# KiCad board RadCheck-SDRAM.kicad_pcb (continued)
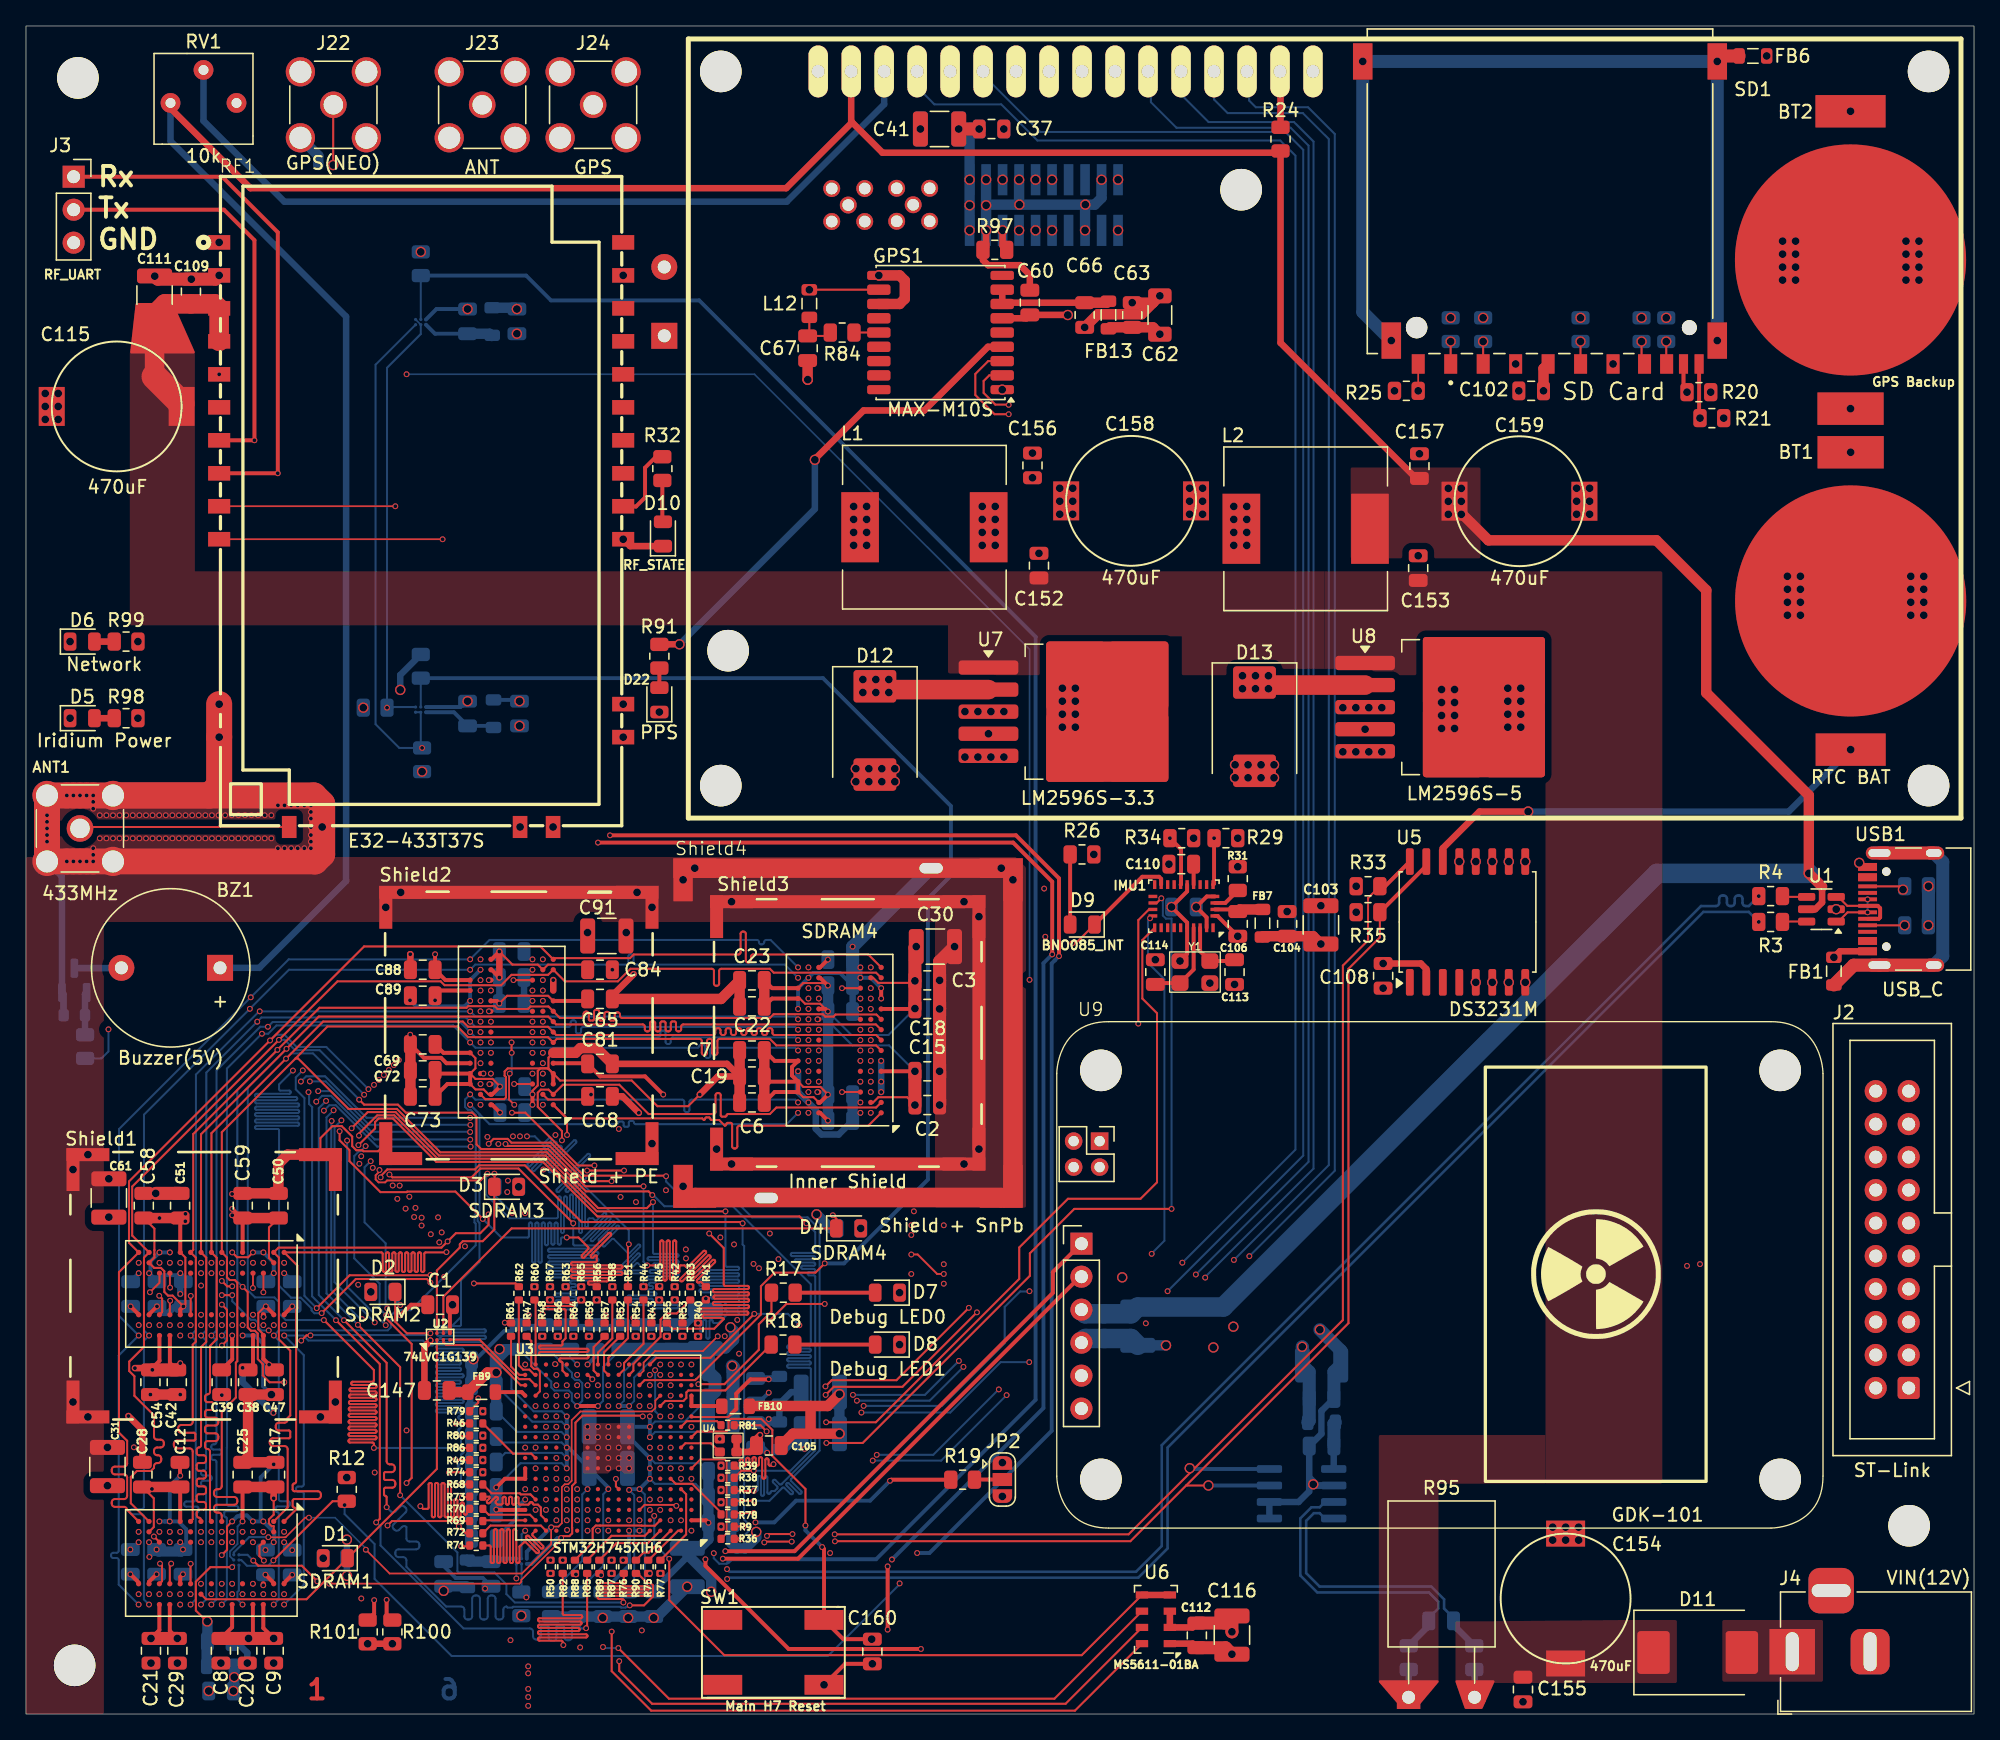
[diagram p0: board, top side]
## Routing (per net, layer and track width the routed paths; a pad name or vN(x,y) marks a point on that pad's centre or on a via; arc(x,y) is an arc through that point) (continued)
SDRAM_A1: length 170.8
  Top w0.157: v1(56.04,16.42) 54.65,16.42 ; v1(49.29,41.42) 49.25,41.46 42.95,41.46 40.41,44 37.38,44 37.09,44.29 36.01,44.29 v1(35.63,43.91)
  In1.Cu w0.127: v1(26.8,48.45) 31.94,43.31 34.51,43.31 35.12,43.91 v1(35.63,43.91)
  In3.Cu w0.142: v1(26.8,48.45) 22.86,52.39 v1(18.17,52.39)
  Bottom w0.157: v1(49.29,41.42) 49.29,41.01 50.8,39.5 54.66,39.5 55.91,38.25 60.19,38.25 61.11,37.33 61.11,20.29 58.91,18.09 arc(58.88,18.02) 58.91,17.95 59.71,17.15 arc(59.73,17.08) 59.71,17.01 59.67,16.98 arc(59.6,16.95) 59.53,16.98 58.73,17.77 arc(58.66,17.8) 58.59,17.77 58.56,17.74 arc(58.53,17.67) 58.56,17.6 59.04,17.12 arc(59.07,17.05) 59.04,16.98 59,16.95 arc(58.93,16.92) 58.86,16.95 58.39,17.43 arc(58.32,17.45) 58.25,17.43 57.24,16.42 v1(56.04,16.42) ; v1(15.07,8.43) 15.47,8.83 15.47,15.06 arc(15.44,15.13) 15.37,15.16 arc(15.3,15.19) 15.27,15.26 15.27,15.52 arc(15.3,15.59) 15.37,15.62 16.19,15.62 arc(16.31,15.67) 16.35,15.78 16.35,15.86 arc(16.31,15.97) 16.19,16.02 15.63,16.02 arc(15.51,16.07) 15.47,16.18 15.47,20.51 15.48,20.53 15.48,28.75 v1(15.08,29.15) 15.47,29.54 15.47,49.71 18.15,52.39 v1(18.17,52.39) 18.65,52.39 19.29,53.03 32.89,53.03 v1(34.2,51.72) 34.61,51.31 51.73,51.31 arc(51.8,51.34) 51.83,51.41 arc(51.86,51.48) 51.93,51.51 52.19,51.51 arc(52.26,51.48) 52.29,51.41 52.29,50.69 arc(52.34,50.57) 52.45,50.53 52.53,50.53 arc(52.65,50.57) 52.69,50.69 52.69,51.15 arc(52.74,51.27) 52.85,51.31 59.24,51.31 v1(59.45,51.1)
SDRAM_A2: length 137.7
  Top w0.157: v1(27.31,41.33) 27.31,41.43 27.83,41.94 34.58,41.94 34.89,42.25 38.42,42.25 42.78,37.89 55.08,37.89 v1(55.18,37.79) ; v1(55.02,13.47) 54.56,13.47
  In3.Cu w0.142: v1(15.87,10.03) 16.26,10.42 16.26,18.61 arc(16.21,18.73) 16.1,18.77 15.93,18.77 arc(15.82,18.82) 15.77,18.93 15.77,19.01 arc(15.82,19.13) 15.93,19.17 16.59,19.17 arc(16.7,19.22) 16.75,19.33 16.75,19.41 arc(16.7,19.53) 16.59,19.57 15.93,19.57 arc(15.82,19.62) 15.77,19.73 15.77,19.81 arc(15.82,19.93) 15.93,19.97 16.59,19.97 arc(16.7,20.02) 16.75,20.13 16.75,20.21 arc(16.7,20.33) 16.59,20.37 16.42,20.37 arc(16.31,20.42) 16.26,20.53 16.26,24.46 16.27,24.46 16.27,30.36 v1(15.88,30.75) 16.28,31.15 16.4,31.15 18.53,33.28 19.76,33.28 20.5,34.02 20.5,34.52 v1(27.31,41.33) 27.6,41.62 27.6,42.15 34.84,49.39 34.84,49.71 35.16,49.71 35.8,50.35 v1(35.8,50.92) 36.21,50.51 40.21,50.51 40.39,50.69 46.66,50.69 arc(46.77,50.73) 46.82,50.85 46.82,50.95 arc(46.87,51.06) 46.98,51.11 47.06,51.11 arc(47.17,51.06) 47.22,50.95 47.22,49.63 arc(47.27,49.51) 47.38,49.47 47.46,49.47 arc(47.57,49.51) 47.62,49.63 47.62,50.53 arc(47.67,50.64) 47.78,50.69 60.66,50.69 v1(61.05,50.3)
  Bottom w0.157: v1(55.18,37.79) 55.18,36.16 55.3,36.04 55.3,26.29 55.29,26.28 55.29,25.41 55.3,25.4 55.3,24.39 55.29,24.38 55.29,23.51 55.3,23.5 55.3,22.89 55.29,22.88 55.29,22.01 55.3,22 55.3,20.99 55.29,20.98 55.29,20.11 55.3,20.1 55.3,14.97 55.67,14.6 55.67,14.12 v1(55.02,13.47)
SDRAM_A3: length 165
  Top w0.157: v1(56.04,17.18) 54.61,17.18 ; v1(25.6,43.81) 26.88,45.1 26.88,45.59 27.15,45.86 28.26,45.86 31.6,42.52 39.8,42.52 44,38.32 59.56,38.32 v1(60.09,37.79)
  In2.Cu w0.127: v1(15.87,13.23) 15.49,13.61 15.49,16.88 ; 15.49,21.26 15.49,33.56 v1(15.88,33.95) 16.3,34.37 18.44,34.37 18.66,34.59 18.66,36.78 25.6,43.72 v1(25.6,43.81) 25.69,43.81 31.62,49.74 37.82,49.74 v1(39,50.92) 39.38,50.54 40.36,50.54 40.54,50.72 47.78,50.72 ; v1(64.25,50.3) 63.83,50.72 54.45,50.72
  In2.Cu w0.129: 15.49,21.26 15.49,18.4 arc(15.45,18.29) 15.33,18.24 15.25,18.24 arc(15.14,18.19) 15.09,18.08 15.09,18 arc(15.14,17.89) 15.25,17.84 16.54,17.84 arc(16.65,17.79) 16.7,17.68 16.7,17.6 arc(16.65,17.49) 16.54,17.44 15.25,17.44 arc(15.14,17.39) 15.09,17.28 15.09,17.2 arc(15.14,17.09) 15.25,17.04 15.33,17.04 arc(15.45,16.99) 15.49,16.88 ; 47.78,50.72 53.33,50.72 arc(53.44,50.77) 53.49,50.88 53.49,50.99 arc(53.54,51.11) 53.65,51.15 53.73,51.15 arc(53.84,51.11) 53.89,50.99 53.89,49.55 arc(53.94,49.44) 54.05,49.39 54.13,49.39 arc(54.24,49.44) 54.29,49.55 54.29,50.56 arc(54.34,50.67) 54.45,50.72
  Bottom w0.157: v1(56.04,17.18) 56.05,17.17 56.25,17.17 arc(56.32,17.2) 56.34,17.27 56.34,18.23 arc(56.37,18.3) 56.44,18.33 56.49,18.33 arc(56.56,18.3) 56.59,18.23 56.59,16.91 arc(56.62,16.84) 56.69,16.81 56.74,16.81 arc(56.81,16.84) 56.84,16.91 56.84,18.23 arc(56.87,18.3) 56.94,18.33 56.99,18.33 arc(57.06,18.3) 57.08,18.23 57.08,17.06 arc(57.11,16.99) 57.18,16.96 57.23,16.96 arc(57.3,16.99) 57.33,17.06 57.33,17.07 arc(57.36,17.14) 57.43,17.17 57.64,17.17 57.85,17.38 arc(57.88,17.45) 57.85,17.52 57.53,17.85 arc(57.5,17.91) 57.53,17.98 57.56,18.02 arc(57.63,18.05) 57.7,18.02 58.03,17.69 arc(58.1,17.66) 58.17,17.69 60.77,20.3 60.77,33.69 arc(60.74,33.76) 60.67,33.79 60.29,33.79 arc(60.22,33.81) 60.19,33.88 60.19,33.93 arc(60.22,34) 60.29,34.03 60.67,34.03 arc(60.74,34.06) 60.77,34.13 60.77,34.18 arc(60.74,34.25) 60.67,34.28 59.79,34.28 arc(59.72,34.31) 59.69,34.38 59.69,34.43 arc(59.72,34.5) 59.79,34.53 60.67,34.53 arc(60.74,34.55) 60.77,34.62 60.77,34.67 arc(60.74,34.74) 60.67,34.77 59.29,34.77 arc(59.22,34.8) 59.19,34.87 59.19,34.92 arc(59.22,34.99) 59.29,35.02 60.67,35.02 arc(60.74,35.05) 60.77,35.12 60.77,35.17 arc(60.74,35.24) 60.67,35.26 58.99,35.26 arc(58.92,35.29) 58.89,35.36 58.89,35.41 arc(58.92,35.48) 58.99,35.51 60.67,35.51 arc(60.74,35.54) 60.77,35.61 60.77,37.11 v1(60.09,37.79)
SDRAM_A4: length 175
  Top w0.157: v1(48.23,39.97) 47.94,40.25 43.12,40.25 40.11,43.26 31.9,43.26 28.56,46.6 24.84,46.6 20.95,50.48 20.75,50.48 ; R38.2 55.09,18.74 56.04,18.74 v1(56.04,18.74) ; SDRAM1.G1 15.07,15.27 arc(15,15.44) 14.83,15.51 14.72,15.51 arc(14.55,15.58) 14.48,15.75 14.48,15.87 arc(14.55,16.04) 14.72,16.11 16.03,16.11 arc(16.2,16.18) 16.27,16.35 16.27,16.47 arc(16.2,16.64) 16.03,16.71 14.72,16.71 arc(14.55,16.78) 14.48,16.95 14.48,17.07 arc(14.55,17.24) 14.72,17.31 14.83,17.31 arc(15,17.38) 15.07,17.55 15.07,23.29 16.16,24.37 16.16,27.06 16.27,27.17 16.27,33.23 16.08,33.42 15.69,33.42 15.47,33.64 15.47,35.16 SDRAM2.G1 15.08,44.81 20.75,50.48 ; 20.75,50.48 23.22,52.95 33.21,52.95 34.04,52.13 40.19,52.13 SDRAM3.G1 40.87,51.99 51.88,51.99 arc(51.99,51.95) 52.04,51.83 52.04,50.91 arc(52.09,50.8) 52.2,50.75 52.28,50.75 arc(52.39,50.8) 52.44,50.91 52.44,51.83 arc(52.49,51.95) 52.6,51.99 52.68,51.99 arc(52.79,51.95) 52.84,51.83 52.84,50.91 arc(52.89,50.8) 53,50.75 53.08,50.75 arc(53.19,50.8) 53.24,50.91 53.24,51.83 arc(53.29,51.95) 53.4,51.99 57.28,51.99 57.78,51.49 65.46,51.49 SDRAM4.G1
  Bottom w0.157: v1(48.23,39.97) 48.3,39.97 49.16,39.11 54.42,39.11 60.43,33.1 60.43,28.49 arc(60.4,28.42) 60.33,28.39 58.71,28.39 arc(58.64,28.36) 58.62,28.29 58.62,28.24 arc(58.64,28.17) 58.71,28.14 60.33,28.14 arc(60.4,28.12) 60.43,28.05 60.43,28 arc(60.4,27.93) 60.33,27.9 58.71,27.9 arc(58.64,27.87) 58.62,27.8 58.62,27.75 arc(58.64,27.68) 58.71,27.65 60.33,27.65 arc(60.4,27.62) 60.43,27.55 60.43,27.5 arc(60.4,27.43) 60.33,27.41 58.71,27.41 arc(58.64,27.38) 58.62,27.31 58.62,27.26 arc(58.64,27.19) 58.71,27.16 60.33,27.16 arc(60.4,27.13) 60.43,27.06 60.43,27.01 arc(60.4,26.94) 60.33,26.91 58.71,26.91 arc(58.64,26.88) 58.62,26.81 58.62,26.76 arc(58.64,26.69) 58.71,26.67 60.33,26.67 arc(60.4,26.64) 60.43,26.57 60.43,20.31 58.86,18.74 v1(56.04,18.74)
SDRAM_A5: length 169.6
  Top w0.157: v1(57.56,19.24) 57.45,19.13 57.28,19.13 arc(57.21,19.16) 57.18,19.23 57.18,19.58 arc(57.15,19.65) 57.08,19.68 57.03,19.68 arc(56.96,19.65) 56.93,19.58 56.93,18.23 arc(56.9,18.16) 56.83,18.13 56.78,18.13 arc(56.71,18.16) 56.68,18.23 56.68,19.68 arc(56.66,19.75) 56.59,19.78 56.54,19.78 arc(56.47,19.75) 56.44,19.68 56.44,19.23 arc(56.41,19.16) 56.34,19.13 56.29,19.13 arc(56.22,19.16) 56.19,19.23 56.19,19.68 arc(56.16,19.75) 56.09,19.78 56.04,19.78 arc(55.97,19.75) 55.94,19.68 55.94,19.23 arc(55.92,19.16) 55.85,19.13 55.8,19.13 arc(55.73,19.16) 55.7,19.23 55.7,19.63 arc(55.67,19.7) 55.6,19.73 55.55,19.73 arc(55.48,19.7) 55.45,19.63 55.45,19.23 arc(55.42,19.16) 55.35,19.13 55.3,19.13 arc(55.23,19.16) 55.21,19.23 55.21,19.53 arc(55.18,19.6) 55.11,19.63 55.06,19.63 arc(54.99,19.6) 54.96,19.53 54.96,19.03 arc(54.93,18.96) 54.86,18.93 54.81,18.93 arc(54.74,18.96) 54.71,19.03
  In1.Cu w0.127: 14.7,26.46 14.67,26.49 14.67,34.34 v1(15.08,34.75) 15.08,39.89 v1(22.35,47.16) 28.22,53.03 33.16,53.03 34.04,52.14 39.38,52.14 v1(39.8,51.72) 40.04,51.48 46.11,51.48 ; v1(65.05,51.1) 64.67,51.48 52.32,51.48 ; v1(15.07,14.03) 14.7,14.41 14.7,19.48
  In1.Cu w0.129: 14.7,26.46 14.7,23.56 arc(14.77,23.39) 14.94,23.32 14.95,23.32 arc(15.12,23.25) 15.19,23.08 15.19,22.96 arc(15.12,22.79) 14.95,22.72 14.45,22.72 arc(14.28,22.65) 14.21,22.48 14.21,22.36 arc(14.28,22.19) 14.45,22.12 14.91,22.12 arc(15.06,22.06) 15.12,21.91 15.12,21.73 arc(15.06,21.58) 14.91,21.52 14.3,21.52 arc(14.13,21.45) 14.06,21.28 14.06,21.16 arc(14.13,20.99) 14.3,20.92 14.91,20.92 arc(15.06,20.86) 15.12,20.71 15.12,20.53 arc(15.06,20.38) 14.91,20.32 14.4,20.32 arc(14.23,20.25) 14.16,20.08 14.16,19.96 arc(14.23,19.79) 14.4,19.72 14.46,19.72 arc(14.63,19.65) 14.7,19.48 ; 52.32,51.48 48.43,51.48 arc(48.32,51.53) 48.27,51.64 48.27,51.84 arc(48.22,51.95) 48.11,52 48.03,52 arc(47.92,51.95) 47.87,51.84 47.87,51.12 arc(47.82,51) 47.71,50.96 47.63,50.96 arc(47.52,51) 47.47,51.12 47.47,51.84 arc(47.42,51.95) 47.31,52 47.23,52 arc(47.12,51.95) 47.07,51.84 47.07,51.12 arc(47.02,51) 46.91,50.96 46.83,50.96 arc(46.72,51) 46.67,51.12 46.67,51.84 arc(46.62,51.95) 46.51,52 46.43,52 arc(46.32,51.95) 46.27,51.84 46.27,51.64 arc(46.22,51.53) 46.11,51.48
  In3.Cu w0.142: v1(57.56,19.24) 57.64,19.32 arc(57.7,19.35) 57.77,19.32 58.06,19.03 arc(58.12,19) 58.19,19.03 58.22,19.06 arc(58.25,19.13) 58.22,19.19 57.93,19.48 arc(57.9,19.55) 57.93,19.62 58.01,19.69 58.01,20.26 arc(58.04,20.32) 58.1,20.35 58.31,20.35 arc(58.38,20.38) 58.41,20.44 58.41,20.49 arc(58.38,20.56) 58.31,20.58 58.1,20.58 arc(58.04,20.61) 58.01,20.68 58.01,20.72 arc(58.04,20.79) 58.1,20.82 58.31,20.82 arc(58.38,20.84) 58.41,20.91 58.41,20.96 arc(58.38,21.02) 58.31,21.05 58.1,21.05 arc(58.04,21.08) 58.01,21.14 58.01,21.19 arc(58.04,21.25) 58.1,21.28 58.31,21.28 arc(58.38,21.31) 58.41,21.37 58.41,21.42 arc(58.38,21.49) 58.31,21.51 58.1,21.51 arc(58.04,21.54) 58.01,21.61 58.01,21.65 arc(58.04,21.72) 58.1,21.75 58.31,21.75 arc(58.38,21.77) 58.41,21.84 58.41,21.89 arc(58.38,21.95) 58.31,21.98 58.1,21.98 arc(58.04,22.01) 58.01,22.07 58.01,22.12 arc(58.04,22.18) 58.1,22.21 58.31,22.21 arc(58.38,22.24) 58.41,22.3 58.41,22.35 arc(58.38,22.42) 58.31,22.44 58.1,22.44 arc(58.04,22.47) 58.01,22.54 58.01,22.58 arc(58.04,22.65) 58.1,22.68 58.31,22.68 arc(58.38,22.7) 58.41,22.77 58.41,22.82 arc(58.38,22.88) 58.31,22.91 58.1,22.91 arc(58.04,22.94) 58.01,23 58.01,23.05 arc(58.04,23.11) 58.1,23.14 58.31,23.14 arc(58.38,23.17) 58.41,23.23 58.41,23.28 arc(58.38,23.35) 58.31,23.37 58.1,23.37 arc(58.04,23.4) 58.01,23.47 58.01,23.51 arc(58.04,23.58) 58.1,23.61 58.31,23.61 arc(58.38,23.63) 58.41,23.7 58.41,23.75 arc(58.38,23.81) 58.31,23.84 58.1,23.84 arc(58.04,23.87) 58.01,23.93 58.01,23.98 arc(58.04,24.04) 58.1,24.07 58.31,24.07 arc(58.38,24.1) 58.41,24.16 58.41,24.21 arc(58.38,24.28) 58.31,24.3 58.1,24.3 arc(58.04,24.33) 58.01,24.4 58.01,24.44 arc(58.04,24.51) 58.1,24.54 58.31,24.54 arc(58.38,24.56) 58.41,24.63 58.41,24.68 arc(58.38,24.74) 58.31,24.77 58.1,24.77 arc(58.04,24.8) 58.01,24.86 58.01,24.91 arc(58.04,24.97) 58.1,25 58.31,25 arc(58.38,25.03) 58.41,25.09 58.41,25.14 arc(58.38,25.21) 58.31,25.23 58.1,25.23 arc(58.04,25.26) 58.01,25.33 58.01,25.37 arc(58.04,25.44) 58.1,25.47 58.31,25.47 arc(58.38,25.49) 58.41,25.56 58.41,25.61 arc(58.38,25.67) 58.31,25.7 58.1,25.7 arc(58.04,25.73) 58.01,25.79 58.01,25.84 arc(58.04,25.9) 58.1,25.93 58.31,25.93 arc(58.38,25.96) 58.41,26.02 58.41,26.07 arc(58.38,26.14) 58.31,26.16 58.1,26.16 arc(58.04,26.19) 58.01,26.26 58.01,26.3 arc(58.04,26.37) 58.1,26.4 58.31,26.4 arc(58.38,26.42) 58.41,26.49 58.41,26.54 arc(58.38,26.6) 58.31,26.63 58.1,26.63 arc(58.04,26.66) 58.01,26.72 58.01,26.77 arc(58.04,26.83) 58.1,26.86 58.31,26.86 arc(58.38,26.89) 58.41,26.95 58.41,27 arc(58.38,27.07) 58.31,27.09 58.1,27.09 arc(58.04,27.12) 58.01,27.19 58.01,27.23 arc(58.04,27.3) 58.1,27.33 58.31,27.33 arc(58.38,27.35) 58.41,27.42 58.41,27.47 arc(58.38,27.53) 58.31,27.56 58.1,27.56 arc(58.04,27.59) 58.01,27.65 58.01,27.7 arc(58.04,27.76) 58.1,27.79 58.31,27.79 arc(58.38,27.82) 58.41,27.88 58.41,27.93 arc(58.38,28) 58.31,28.02 58.1,28.02 arc(58.04,28.05) 58.01,28.12 58.01,28.16 arc(58.04,28.23) 58.1,28.26 58.31,28.26 arc(58.38,28.28) 58.41,28.35 58.41,28.4 arc(58.38,28.46) 58.31,28.49 58.1,28.49 arc(58.04,28.52) 58.01,28.58 58.01,31.06 43.85,45.22 35.15,45.22 34.21,44.29 v1(34.21,44.24)
  Bottom w0.157: v1(22.35,47.16) 22.8,47.61 23.49,47.61 26.84,44.26 26.84,44.25 34.2,44.25 v1(34.21,44.24)
SDRAM_A6: length 165.7
  Top w0.157: v1(53.86,38.71) 43.96,38.71 39.9,42.77 31.7,42.77 28.36,46.11 27.05,46.11 25.64,44.7 v1(25.64,44.55)
  In2.Cu w0.127: 55.41,51.48 63.87,51.48 v1(64.25,51.1) ; 49.21,51.48 40.1,51.48 39.96,51.34 39.38,51.34 v1(39,51.72) 38.62,52.1 33.35,52.1 25.8,44.55 v1(25.64,44.55) 25.64,44.39 17.32,36.07 17.32,35.93 16.52,35.13 15.72,35.13 15.5,34.91 15.5,34.37 v1(15.08,33.95) 14.67,33.54 14.67,19.47 14.69,19.44 ; 14.69,15.03 14.69,13.61 v1(15.07,13.23)
  In2.Cu w0.129: 55.41,51.48 51.13,51.48 arc(51.02,51.43) 50.97,51.32 50.97,51.17 arc(50.93,51.06) 50.81,51.01 50.73,51.01 arc(50.62,51.06) 50.57,51.17 50.57,51.84 arc(50.53,51.95) 50.41,52 50.33,52 arc(50.22,51.95) 50.17,51.84 50.17,51.17 arc(50.13,51.06) 50.01,51.01 49.93,51.01 arc(49.82,51.06) 49.77,51.17 49.77,51.79 arc(49.73,51.9) 49.61,51.95 49.53,51.95 arc(49.42,51.9) 49.37,51.79 49.37,51.64 arc(49.33,51.53) 49.21,51.48 ; 14.69,19.44 14.69,16.95 arc(14.74,16.83) 14.85,16.79 15.03,16.79 arc(15.14,16.74) 15.19,16.63 15.19,16.55 arc(15.14,16.43) 15.03,16.39 14.31,16.39 arc(14.2,16.34) 14.15,16.23 14.15,16.15 arc(14.2,16.03) 14.31,15.99 15.03,15.99 arc(15.14,15.94) 15.19,15.83 15.19,15.75 arc(15.14,15.63) 15.03,15.59 14.31,15.59 arc(14.2,15.54) 14.15,15.43 14.15,15.35 arc(14.2,15.23) 14.31,15.19 14.53,15.19 arc(14.65,15.14) 14.69,15.03
  Bottom w0.157: v1(53.86,38.71) 53.86,34.54 arc(53.89,34.47) 53.96,34.44 54.81,34.44 arc(54.88,34.41) 54.91,34.34 54.91,34.29 arc(54.88,34.23) 54.81,34.2 51.96,34.2 arc(51.89,34.17) 51.86,34.1 51.86,34.05 arc(51.89,33.98) 51.96,33.95 54.81,33.95 arc(54.88,33.92) 54.91,33.85 54.91,33.8 arc(54.88,33.73) 54.81,33.7 51.96,33.7 arc(51.89,33.67) 51.86,33.6 51.86,33.56 arc(51.89,33.49) 51.96,33.46 54.81,33.46 arc(54.88,33.43) 54.91,33.36 54.91,33.31 arc(54.88,33.24) 54.81,33.21 51.96,33.21 arc(51.89,33.18) 51.86,33.11 51.86,33.06 arc(51.89,32.99) 51.96,32.96 54.81,32.96 arc(54.88,32.93) 54.91,32.87 54.91,32.82 arc(54.88,32.75) 54.81,32.72 51.96,32.72 arc(51.89,32.69) 51.86,32.62 51.86,32.57 arc(51.89,32.5) 51.96,32.47 54.81,32.47 arc(54.88,32.44) 54.91,32.37 54.91,32.32 arc(54.88,32.25) 54.81,32.22 52.86,32.22 arc(52.79,32.2) 52.76,32.13 52.76,32.08 arc(52.79,32.01) 52.86,31.98 54.81,31.98 arc(54.88,31.95) 54.91,31.88 54.91,31.83 arc(54.88,31.76) 54.81,31.73 53.96,31.73 arc(53.89,31.7) 53.86,31.63 53.86,31.58 arc(53.89,31.51) 53.96,31.48 54.81,31.48 arc(54.88,31.46) 54.91,31.39 54.91,31.34 arc(54.88,31.27) 54.81,31.24 53.96,31.24 arc(53.89,31.21) 53.86,31.14 53.86,31.09 arc(53.89,31.02) 53.96,30.99 54.81,30.99 arc(54.88,30.96) 54.91,30.89 54.91,30.84 arc(54.88,30.77) 54.81,30.75 53.96,30.75 arc(53.89,30.72) 53.86,30.65 53.32,30.11 52.98,30.11 arc(52.91,30.14) 52.88,30.21 52.88,30.26 arc(52.85,30.33) 52.78,30.36 52.73,30.36 arc(52.66,30.33) 52.63,30.26 52.63,29.01 arc(52.6,28.94) 52.53,28.91 52.48,28.91 arc(52.41,28.94) 52.39,29.01 52.39,30.26 arc(52.36,30.33) 52.29,30.36 52.24,30.36 arc(52.17,30.33) 52.14,30.26 52.14,29.56 arc(52.11,29.49) 52.04,29.46 51.99,29.46 arc(51.92,29.49) 51.89,29.56 51.89,30.01 arc(51.86,30.08) 51.79,30.11 v1(51.75,30.11)
SDRAM_A7: length 170.9
  Top w0.157: R41.2 52,33.26 arc(51.93,33.29) 51.86,33.26 51.85,33.24 arc(51.78,33.21) 51.71,33.24 51.68,33.28 arc(51.65,33.35) 51.68,33.42 53.04,34.79 arc(53.07,34.86) 53.04,34.93 53.01,34.96 arc(52.94,34.99) 52.87,34.96 51.36,33.45 arc(51.29,33.42) 51.22,33.45 51.19,33.49 arc(51.16,33.55) 51.19,33.62 52.7,35.13 arc(52.72,35.2) 52.7,35.27 52.66,35.31 arc(52.59,35.34) 52.52,35.31 50.55,33.34 arc(50.48,33.31) 50.41,33.34 50.38,33.37 arc(50.35,33.44) 50.38,33.51 52.35,35.48 arc(52.38,35.55) 52.35,35.62 52.31,35.66 arc(52.24,35.69) 52.17,35.66 50.96,34.44 arc(50.89,34.41) 50.82,34.44 50.71,34.55 50.41,34.55 arc(50.34,34.52) 50.32,34.45 50.32,34.08 arc(50.29,34.01) 50.22,33.98 50.17,33.98 arc(50.1,34.01) 50.07,34.08 50.07,36.37 arc(50.04,36.44) 49.97,36.47 49.92,36.47 arc(49.85,36.44) 49.82,36.37 49.82,33.53 arc(49.79,33.46) 49.72,33.43 49.67,33.43 arc(49.6,33.46) 49.58,33.53 49.58,36.37 arc(49.55,36.44) 49.48,36.47 49.43,36.47 arc(49.36,36.44) 49.33,36.37 49.33,33.48 arc(49.3,33.41) 49.23,33.38 49.18,33.38 arc(49.11,33.41) 49.08,33.48 49.08,36.37 arc(49.05,36.44) 48.98,36.47 48.93,36.47 arc(48.87,36.44) 48.84,36.37 48.84,34.65 arc(48.81,34.58) 48.74,34.55 v1(47.83,34.55) ; SDRAM4.H1 65.46,52.29 57.64,52.29 arc(57.52,52.34) 57.48,52.45 57.48,52.66 arc(57.43,52.77) 57.32,52.82 57.24,52.82 arc(57.12,52.77) 57.08,52.66 57.08,52.45 arc(57.03,52.34) 56.92,52.29 56.84,52.29 arc(56.72,52.34) 56.68,52.45 56.68,52.66 arc(56.63,52.77) 56.52,52.82 56.44,52.82 arc(56.32,52.77) 56.28,52.66 56.28,52.45 arc(56.23,52.34) 56.12,52.29 56.04,52.29 arc(55.92,52.34) 55.88,52.45 55.88,52.66 arc(55.83,52.77) 55.72,52.82 55.64,52.82 arc(55.52,52.77) 55.48,52.66 55.48,52.45 arc(55.43,52.34) 55.32,52.29 55.24,52.29 arc(55.12,52.34) 55.08,52.45 55.08,52.66 arc(55.03,52.77) 54.92,52.82 54.84,52.82 arc(54.72,52.77) 54.68,52.66 54.68,52.45 arc(54.63,52.34) 54.52,52.29 54.44,52.29 arc(54.32,52.34) 54.28,52.45 54.28,52.66 arc(54.23,52.77) 54.12,52.82 54.04,52.82 arc(53.92,52.77) 53.88,52.66 53.88,52.45 arc(53.83,52.34) 53.72,52.29 53.64,52.29 arc(53.52,52.34) 53.48,52.45 53.48,52.66 arc(53.43,52.77) 53.32,52.82 53.24,52.82 arc(53.12,52.77) 53.08,52.66 53.08,52.45 arc(53.03,52.34) 52.92,52.29 40.83,52.29 SDRAM3.H1 40.19,52.93 34.04,52.93 33.63,53.33 22.88,53.33 v1(20.03,50.47) 14.28,44.73 SDRAM2.H1 14.69,35.14 14.69,28.87 14.17,28.35 14.17,24.81 arc(14.11,24.68) 13.98,24.62 arc(13.84,24.56) 13.79,24.43 13.79,24.21 arc(13.84,24.08) 13.98,24.02 14.29,24.02 arc(14.37,23.99) 14.4,23.9 14.4,23.54 arc(14.37,23.45) 14.29,23.42 13.98,23.42 arc(13.84,23.36) 13.79,23.23 13.79,23.01 arc(13.84,22.88) 13.98,22.82 14.57,22.82 arc(14.74,22.75) 14.81,22.58 14.81,22.46 arc(14.74,22.29) 14.57,22.22 13.98,22.22 arc(13.84,22.16) 13.79,22.03 13.79,21.81 arc(13.84,21.68) 13.98,21.62 14.57,21.62 arc(14.74,21.55) 14.81,21.38 14.81,21.26 arc(14.74,21.09) 14.57,21.02 13.98,21.02 arc(13.84,20.96) 13.79,20.83 13.79,20.6 arc(13.84,20.47) 13.98,20.41 arc(14.11,20.35) 14.17,20.22 14.17,14.94 SDRAM1.H1 ; v1(47.55,40.64) 43.07,40.64 40.21,43.51 35.05,43.51 34.69,43.87 34.69,45.99 34.36,46.31 29.26,46.31 28.64,46.93 26.04,46.93 v1(25.66,47.31)
  Bottom w0.157: v1(25.66,47.31) 25.66,47.32 22.1,50.88 20.43,50.88 v1(20.03,50.47) ; v1(47.55,40.64) 47.55,34.83 v1(47.83,34.55)
SDRAM_A8: length 176.6
  In1.Cu w0.127: v1(65.05,51.9) 64.67,52.28 54.4,52.28 ; 13.9,15.23 13.9,14.41 v1(14.27,14.03) ; 47.91,52.28 40.04,52.28 v1(39.8,52.52) 39.38,52.94 34.04,52.94 33.57,53.42 27.95,53.42 v1(22.5,47.97) 14.28,39.75 v1(14.28,34.75) 13.9,34.37 13.9,22.93
  In1.Cu w0.129: 13.9,22.93 13.9,21.71 arc(13.83,21.54) 13.66,21.47 13.59,21.47 arc(13.42,21.4) 13.35,21.23 13.35,21.11 arc(13.42,20.94) 13.59,20.87 13.66,20.87 arc(13.83,20.8) 13.9,20.63 13.9,20.23 arc(13.87,20.16) 13.8,20.13 arc(13.73,20.1) 13.7,20.03 13.7,19.63 arc(13.73,19.56) 13.8,19.53 arc(13.87,19.5) 13.9,19.43 13.9,19.31 arc(13.97,19.14) 14.14,19.07 14.17,19.07 arc(14.34,19) 14.41,18.83 14.41,18.71 arc(14.34,18.54) 14.17,18.47 13.64,18.47 arc(13.47,18.4) 13.4,18.23 13.4,18.11 arc(13.47,17.94) 13.64,17.87 14.17,17.87 arc(14.34,17.8) 14.41,17.63 14.41,17.51 arc(14.34,17.34) 14.17,17.27 13.64,17.27 arc(13.47,17.2) 13.4,17.03 13.4,16.91 arc(13.47,16.74) 13.64,16.67 14.17,16.67 arc(14.34,16.6) 14.41,16.43 14.41,16.31 arc(14.34,16.14) 14.17,16.07 13.64,16.07 arc(13.47,16) 13.4,15.83 13.4,15.71 arc(13.47,15.54) 13.64,15.47 13.66,15.47 arc(13.83,15.4) 13.9,15.23 ; 47.91,52.28 48.88,52.28 arc(48.99,52.23) 49.04,52.12 49.04,51.89 arc(49.09,51.78) 49.2,51.73 49.28,51.73 arc(49.39,51.78) 49.44,51.89 49.44,52.67 arc(49.49,52.78) 49.6,52.83 49.68,52.83 arc(49.79,52.78) 49.84,52.67 49.84,51.89 arc(49.89,51.78) 50,51.73 50.08,51.73 arc(50.19,51.78) 50.24,51.89 50.24,52.67 arc(50.29,52.78) 50.4,52.83 50.48,52.83 arc(50.59,52.78) 50.64,52.67 50.64,51.89 arc(50.69,51.78) 50.8,51.73 50.88,51.73 arc(50.99,51.78) 51.04,51.89 51.04,52.47 arc(51.09,52.58) 51.2,52.63 51.28,52.63 arc(51.39,52.58) 51.44,52.47 51.44,51.89 arc(51.49,51.78) 51.6,51.73 51.68,51.73 arc(51.79,51.78) 51.84,51.89 51.84,52.12 arc(51.89,52.23) 52,52.28 52.08,52.28 arc(52.19,52.23) 52.24,52.12 52.24,51.92 arc(52.29,51.8) 52.4,51.76 52.48,51.76 arc(52.59,51.8) 52.64,51.92 52.64,52.64 arc(52.69,52.75) 52.8,52.8 52.88,52.8 arc(52.99,52.75) 53.04,52.64 53.04,51.92 arc(53.09,51.8) 53.2,51.76 53.28,51.76 arc(53.39,51.8) 53.44,51.92 53.44,52.64 arc(53.49,52.75) 53.6,52.8 53.68,52.8 arc(53.79,52.75) 53.84,52.64 53.84,51.92 arc(53.89,51.8) 54,51.76 54.08,51.76 arc(54.19,51.8) 54.24,51.92 54.24,52.12 arc(54.29,52.23) 54.4,52.28
  In3.Cu w0.142: v1(34.2,44.82) 34.3,44.82 34.93,45.45 44.16,45.45 v1(49.28,40.34)
  In4.Cu w0.129: v1(49.28,40.34) 49.95,39.67 arc(49.98,39.6) 50.04,39.58 51.84,39.58 arc(51.9,39.55) 51.93,39.49 51.93,39.45 arc(51.9,39.38) 51.84,39.36 48.76,39.36 arc(48.7,39.33) 48.67,39.27 48.67,39.23 arc(48.7,39.16) 48.76,39.14 51.84,39.14 arc(51.9,39.11) 51.93,39.05 51.93,39.01 arc(51.9,38.95) 51.84,38.92 48.61,38.92 arc(48.55,38.89) 48.52,38.83 48.52,38.79 arc(48.55,38.73) 48.61,38.7 51.84,38.7 arc(51.9,38.67) 51.93,38.61 51.93,38.57 arc(51.9,38.51) 51.84,38.48 49.06,38.48 arc(49,38.46) 48.97,38.39 48.97,38.35 arc(49,38.29) 49.06,38.26 51.84,38.26 arc(51.9,38.24) 51.93,38.17 51.93,38.13 arc(51.9,38.07) 51.84,38.04 49.16,38.04 arc(49.1,38.02) 49.07,37.95 49.07,37.91 arc(49.1,37.85) 49.16,37.82 51.84,37.82 arc(51.9,37.8) 51.93,37.74 51.93,37.69 arc(51.9,37.63) 51.84,37.6 49.16,37.6 arc(49.1,37.58) 49.07,37.52 49.07,37.47 arc(49.1,37.41) 49.16,37.38 51.84,37.38 arc(51.9,37.36) 51.93,37.3 51.93,37.25 arc(51.9,37.19) 51.84,37.17 49.16,37.17 arc(49.1,37.14) 49.07,37.08 49.07,37.03 arc(49.1,36.97) 49.16,36.95 51.84,36.95 arc(51.9,36.92) 51.93,36.86 51.93,36.81 arc(51.9,36.75) 51.84,36.73 50.04,36.73 arc(49.98,36.7) 49.95,36.64 v1(49.95,32.91)
  Bottom w0.157: v1(22.5,47.97) 23.48,47.97 26.61,44.84 34.18,44.84 v1(34.2,44.82)
SDRAM_A9: length 169.3
  Top w0.157: v1(48.25,30.81) 48.25,30.21 ; v1(48.28,39.43) 47.81,38.96 44.06,38.96 40.01,43.01 31.8,43.01 28.46,46.35 26.31,46.35 25.08,45.12 v1(25.08,45.11)
  In2.Cu w0.127: 50.23,53.08 40.1,53.08 39.96,52.94 39.38,52.94 v1(39,53.32) 38.62,53.7 34.04,53.7 33.82,53.48 33.44,53.48 25.08,45.12 v1(25.08,45.11) 25.07,45.11 16.1,36.14 15.14,36.14 13.9,34.91 13.9,34.37 v1(13.48,33.95) 13.09,33.56 13.09,21.37 ; v1(64.25,52.7) 63.87,53.08 55.91,53.08 ; v1(13.47,13.23) 13.09,13.61 13.09,15.44
  In2.Cu w0.129: 55.91,53.08 53.35,53.08 arc(53.24,53.13) 53.19,53.24 53.19,54.9 arc(53.14,55.02) 53.03,55.06 52.95,55.06 arc(52.84,55.02) 52.79,54.9 52.79,52.71 arc(52.74,52.59) 52.63,52.55 52.55,52.55 arc(52.44,52.59) 52.39,52.71 52.39,54.9 arc(52.34,55.02) 52.23,55.06 52.15,55.06 arc(52.04,55.02) 51.99,54.9 51.99,53.24 arc(51.94,53.13) 51.83,53.08 51.75,53.08 arc(51.64,53.13) 51.59,53.24 51.59,54.9 arc(51.54,55.02) 51.43,55.06 51.35,55.06 arc(51.24,55.02) 51.19,54.9 51.19,53.24 arc(51.14,53.13) 51.03,53.08 50.95,53.08 arc(50.84,53.13) 50.79,53.24 50.79,54.63 arc(50.74,54.74) 50.63,54.79 50.55,54.79 arc(50.44,54.74) 50.39,54.63 50.39,53.24 arc(50.34,53.13) 50.23,53.08 ; 13.09,21.37 13.09,16.96 arc(13.05,16.85) 12.93,16.8 11.9,16.8 arc(11.79,16.76) 11.74,16.64 11.74,16.56 arc(11.79,16.45) 11.9,16.4 12.21,16.4 arc(12.33,16.36) 12.37,16.24 12.37,14.9 arc(12.42,14.78) 12.53,14.74 12.61,14.74 arc(12.73,14.78) 12.77,14.9 12.77,16.24 arc(12.82,16.36) 12.93,16.4 13.19,16.4 arc(13.27,16.37) 13.29,16.3 13.29,16.1 arc(13.27,16.03) 13.19,16 12.82,16 arc(12.7,15.96) 12.66,15.84 12.66,15.76 arc(12.7,15.65) 12.82,15.6 12.93,15.6 arc(13.05,15.56) 13.09,15.44
  Bottom w0.157: v1(48.25,30.81) 48.28,30.84 48.28,31.15 arc(48.31,31.22) 48.38,31.25 50.14,31.25 arc(50.21,31.28) 50.24,31.35 50.24,31.39 arc(50.21,31.46) 50.14,31.49 46.42,31.49 arc(46.35,31.52) 46.32,31.59 46.32,31.64 arc(46.35,31.71) 46.42,31.74 48.18,31.74 arc(48.25,31.77) 48.28,31.84 48.28,31.89 arc(48.25,31.96) 48.18,31.99 46.42,31.99 arc(46.35,32.01) 46.32,32.08 46.32,32.13 arc(46.35,32.2) 46.42,32.23 48.44,32.23 arc(48.51,32.26) 48.54,32.33 48.54,32.38 arc(48.51,32.45) 48.44,32.48 48.02,32.48 arc(47.95,32.51) 47.92,32.58 47.92,32.63 arc(47.95,32.7) 48.02,32.73 48.18,32.73 arc(48.25,32.75) 48.28,32.82 48.28,32.87 arc(48.25,32.94) 48.18,32.97 48.07,32.97 arc(48,33) 47.97,33.07 47.97,33.12 arc(48,33.19) 48.07,33.22 48.39,33.22 arc(48.46,33.25) 48.49,33.32 48.49,33.37 arc(48.46,33.44) 48.39,33.47 47.92,33.47 arc(47.85,33.49) 47.82,33.56 47.82,33.61 arc(47.85,33.68) 47.92,33.71 50.14,33.71 arc(50.21,33.74) 50.24,33.81 50.24,33.86 arc(50.21,33.93) 50.14,33.96 48.12,33.96 arc(48.05,33.99) 48.02,34.06 48.02,34.11 arc(48.05,34.18) 48.12,34.2 50.14,34.2 arc(50.21,34.23) 50.24,34.3 50.24,34.35 arc(50.21,34.42) 50.14,34.45 48.38,34.45 arc(48.31,34.48) 48.28,34.55 48.28,34.6 arc(48.31,34.67) 48.38,34.7 50.14,34.7 arc(50.21,34.73) 50.24,34.8 50.24,34.85 arc(50.21,34.92) 50.14,34.94 47.97,34.94 arc(47.9,34.97) 47.87,35.04 47.87,35.09 arc(47.9,35.16) 47.97,35.19 50.14,35.19 arc(50.21,35.22) 50.24,35.29 50.24,35.34 arc(50.21,35.41) 50.14,35.44 48.38,35.44 arc(48.31,35.47) 48.28,35.54 v1(48.28,39.43)